# Altium PCB IC_LAB_test.PcbDoc (part 4 of 8) (continued)
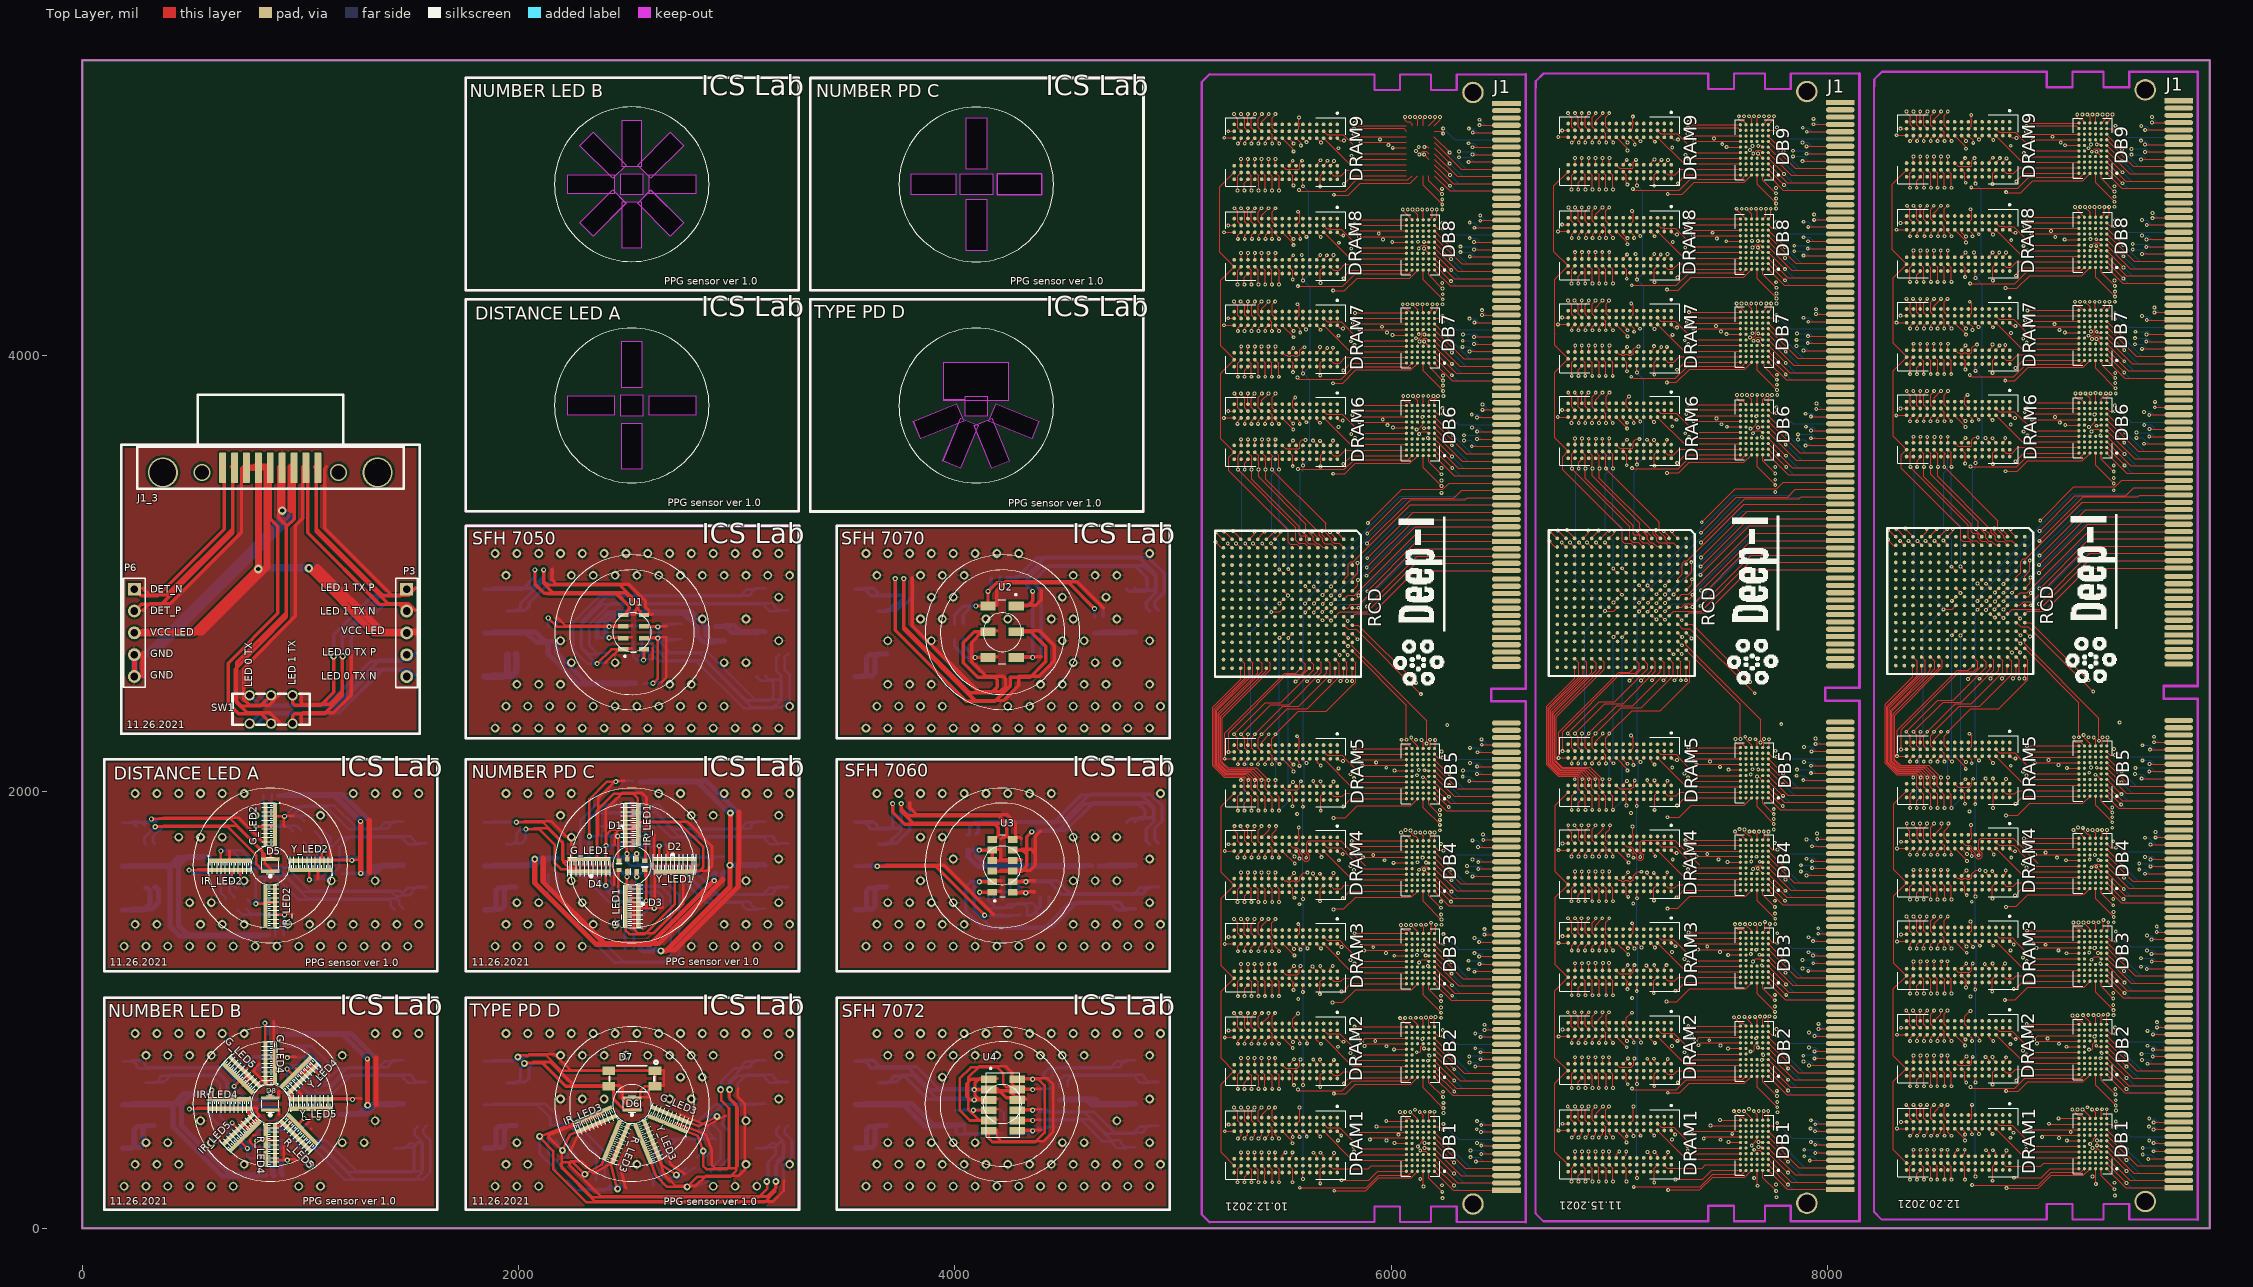
[diagram p0: Top Layer view]
## Nets (pads, with @x,y where several pads share a name; then routed paths per layer and width w, separated by ;. In a path a pad name is that pad's centre, name@x,y a point inside that pad or via, vN(x,y) a via of type N, cw(c..) or ccw(c..) an arc to the next point about the centre after c; other vN are vias at no path point) (continued)
7929.86,1682.16 8056.89,1682.16 8057.87,1683.15 ; v1(7932.87,1249.17) 8056.81,1249.17 8057.87,1248.11 ; v1(7932.87,1315.17) 7933.01,1315.04 8057.87,1315.04 ; v1(7933.87,1214.17) 7934.11,1214.41 8057.64,1214.41 8057.87,1214.65 ; v1(7934.87,5059.17) 7935.07,5058.98 8057.68,5058.98 8057.87,5058.78 ; v1(7937.87,4621.17) 7939.16,4622.46 8056.59,4622.46 8057.87,4623.74 ; v1(7938.87,778.17) 7939.59,778.89 8057.16,778.89 8057.87,779.61 ; v1(7939.87,810.17) 8054.98,810.17 8057.87,813.07 ; v1(7939.87,880.17) 7940.05,880 8057.87,880 ; v1(7941.87,444.17) 7942.66,444.96 8057.87,444.96 8057.48,444.57 ; v1(7942.87,344.17) 7943.07,344.37 8057.68,344.37 8057.87,344.57 ; v1(7942.87,381.85) 8054.06,381.85 8057.87,378.03 ; v1(7942.87,475.85) 7942.87,477.68 7943.62,478.43 8057.87,478.43 8057.62,478.17 ; v1(7944.87,2219.17) 7945.17,2218.88 8057.58,2218.88 8057.87,2218.58 ; v1(7945.87,4189.17) 7946.11,4188.94 8057.64,4188.94 8057.87,4188.7 ; v1(7947.87,3754.17) 7948.13,3753.92 8057.62,3753.92 8057.87,3753.66 ; v1(7951.87,1783.17) 7952.06,1783.36 8057.69,1783.36 8057.87,1783.54 ; v1(7956.87,1349.17) 7957.21,1348.84 8057.54,1348.84 8057.87,1348.51 ; v1(7957.87,912.17) 7958.52,912.82 8057.23,912.82 8057.87,913.47 ; v1(8276.06,3156.05) 8276.06,3155.05 8301.06,3130.05 8311.72,3130.05 8312.24,3129.53 ; v1(8277.06,3199.05) 8279.49,3199.05 8309.64,3168.9 8312.24,3168.9 ; v1(8314.06,3205.05) 8315.46,3205.05 8351.61,3168.9 ; v1(8314.06,3725.05) 8314.17,3725.16 8361.61,3725.16 ; v1(8315.06,4150.05) 8315.54,4149.57 8361.61,4149.57 ; v1(8315.06,4576.05) 8315.35,4575.75 8361.61,4575.75 ; v1(8316.06,5009.05) 8360.09,5009.05 8361.61,5007.52 ; v1(8318.06,456.05) 8318.55,455.55 8361.61,455.55 ; v1(8318.06,886.05) 8318.4,886.39 8361.27,886.39 8361.61,886.73 ; v1(8318.06,1314.05) 8318.51,1314.5 8361.16,1314.5 8361.61,1314.96 ; v1(8318.06,1740.05) 8318.1,1740 8361.57,1740 8361.61,1739.96 ; v1(8332.06,3150.05) 8332.06,3149.57 8351.61,3130.01 8351.61,3129.53 ; v1(8334.06,3757.05) 8334.45,3756.65 8361.61,3756.65 ; v1(8334.06,4182.05) 8335.04,4181.06 8361.61,4181.06 ; v1(8334.06,4607.05) 8334.25,4607.24 8361.61,4607.24 ; v1@8334.09,5039.02 8361.61,5039.02 ; v1(8336.06,486.05) 8336.56,486.55 8361.11,486.55 8361.61,487.05 ; v1(8336.06,918.05) 8336.15,918.14 8361.52,918.14 8361.61,918.23 ; v1(8336.06,1346.05) 8336.26,1346.25 8361.41,1346.25 8361.61,1346.46 ; v1(8336.06,1771.05) 8336.26,1771.25 8361.41,1771.25 8361.61,1771.46 ; v1(8356.06,3207.05) 8356.06,3205.44 8390.98,3170.51 8390.98,3168.9 ; v1(8360.06,565.05) 8376.97,548.13 8376.97,504.13 8393.11,487.99 8393.11,487.05 ; v1@8360.06,996.05 8376.97,979.13 8376.97,932.13 8390.87,918.23 8393.11,918.23 ; v1@8361.06,1427.05 8377.06,1411.05 8377.06,1362.51 8393.11,1346.46 ; v1(8361.06,4259.05) 8361.06,4256.05 8377.9,4239.21 8377.9,4196.21 8393.04,4181.06 8393.11,4181.06 ; v1(8361.06,5118.05) 8361.06,5112.05 8377.9,5095.21 8377.9,5056.21 8393.11,5040.99 8393.11,5039.02 ; 8361.61,298.07 8301.06,358.63 8301.06,672.05 8358.26,729.25 8361.61,729.25 8301.06,789.81 8301.06,1096.92 8361.61,1157.48 8359.62,1157.48 8302.45,1214.66 8302.45,1523.31 8361.61,1582.48 8302.06,1642.04 8302.06,1945.87 8361.61,2005.43 ; 8361.61,2162.91 8361.55,2162.98 8318.12,2162.98 v1(8318.06,2163.05) 8318.06,2281.05 8593.06,2556.05 8644.28,2556.05 8666.57,2578.35 ; 8361.61,2194.41 8361.43,2194.23 8336.24,2194.23 v1(8336.06,2194.05) 8336.06,2283.05 8603.06,2550.05 8668.06,2550.05 8687.06,2569.05 8687.06,2595.05 8666.57,2615.53 8666.57,2617.72 ; 8361.61,4850.04 8296.06,4784.48 8296.06,4483.83 8361.61,4418.27 8299.45,4356.1 8299.45,4106.08 8300.06,4105.48 8300.06,4055.05 8361.61,3993.49 8361.61,3992.09 8300.06,3930.53 8300.06,3629.24 8361.61,3567.68 8360.68,3567.68 8337.06,3544.05 8337.06,3483.05 8610.06,3210.05 8610.06,3156.05 8619.06,3147.05 8648.06,3147.05 8665.57,3129.53 8666.57,3129.53 ; v1(8362.06,1854.05) 8362.06,1835.05 8377.06,1820.05 8377.06,1785.05 8390.65,1771.46 8393.11,1771.46 ; v1@8362.06,3835.05 8362.06,3833.05 8377.9,3817.21 8377.9,3772.21 8393.11,3756.99 8393.11,3756.65 ; v1@8363.06,4685.05 8376.83,4671.27 8376.83,4624.27 8393.11,4607.99 8393.11,4607.24 ; v1(8370.06,3150.05) 8370.26,3150.05 8390.78,3129.53 8390.98,3129.53 ; v1(8377.06,222.05) 8377.06,283.05 8392.08,298.07 8393.11,298.07 ; v1(8377.06,1506.05) 8377.06,1565.05 8393.11,1581.1 8393.11,1582.48 ; v1(8377.06,1711.05) 8377.06,1723.91 8393.11,1739.96 ; v1(8377.06,3698.05) 8378.06,3699.05 8378.06,3711.05 8392.17,3725.16 8393.11,3725.16 ; v1(8377.06,4337.05) 8377.06,4402.05 8393.11,4418.1 8393.11,4418.27 ; v1(8377.06,4768.05) 8377.06,4834.05 8393.05,4850.04 8393.11,4850.04 ; v1(8378.06,423.05) 8393.11,438.1 8393.11,455.55 ; v1(8378.06,650.05) 8378.06,691.29 8377.9,691.45 8377.9,704.06 8378.06,704.22 8378.06,716.05 8391.26,729.25 8393.11,729.25 ; v1(8378.06,857.05) 8378.06,871.68 8393.11,886.73 ; v1(8378.06,1075.05) 8378.06,1119.52 8377.9,1119.68 8377.9,1132.29 8378.06,1132.45 8378.06,1142.43 8393.11,1157.48 ; v1(8378.06,1281.05) 8378.06,1303.05 8389.97,1314.96 8393.11,1314.96 ; v1@8378.06,1928.05 8378.06,1967.48 8377.9,1967.63 8377.9,1980.24 8378.06,1980.4 8378.06,1990.05 8393.11,2005.1 8393.11,2005.43 8393.11,2005.99 ; v1(8378.06,2138.05) 8379.06,2139.05 8379.06,2151.05 8390.92,2162.91 8393.11,2162.91 ; v1@8378.06,3911.05 v1(8378.06,3914.05) 8378.06,3954.13 8377.9,3954.29 8377.9,3966.89 8378.06,3967.05 8378.06,3976.05 8393.11,3991.1 8393.11,3992.09 ; v1(8378.06,4123.05) 8378.06,4135.05 8392.57,4149.57 8393.11,4149.57 ; v1(8378.06,4546.05) 8378.06,4562.05 8391.76,4575.75 8393.11,4575.75 ; v1(8378.06,4983.05) 8382.06,4983.05 8392.06,4993.05 8392.06,5006.46 8393.11,5007.52 ; 8390.98,2578.35 8390.98,2526.98 8264.06,2400.05 8264.06,2130.62 8315.63,2079.05 8402.06,2079.05 8408.06,2073.05 8408.06,2021.98 8424.61,2005.43 8441.06,1988.98 8441.06,1980.41 8440.89,1980.24 8440.89,1967.63 8441.06,1967.47 v1@8441.06,1930.05 ; 8390.98,2617.72 8410.06,2598.65 8410.06,2532.05 8270.06,2392.05 8270.06,2133.11 8318.11,2085.05 8406.06,2085.05 8424.61,2066.5 v1@8424.61,2065.05 ; v1@8391.06,996.05 8391.06,994.05 8409.06,976.05 8409.06,931.05 8421.87,918.23 8424.61,918.23 ; v1(8391.06,1854.05) 8391.06,1849.05 8409.39,1830.71 8409.39,1786.71 8424.61,1771.5 ; v1(8391.06,4259.05) 8409.06,4241.05 8409.06,4198.05 8424.61,4182.5 8424.61,4181.06 ; v1@8392.06,3836.05 8392.06,3834.05 8409.06,3817.05 8409.06,3772.05 8424.45,3756.65 8424.61,3756.65 ; v1(8393.06,565.05) 8409.06,549.05 8409.06,504.05 8424.61,488.5 8424.61,487.05 ; v1(8393.06,1428.05) 8408.32,1412.78 8408.32,1359.78 8421.65,1346.46 8424.61,1346.46 ; v1(8393.06,1642.05) 8393.06,1614.03 8393.11,1613.98 ; v1(8393.06,3627.05) 8393.11,3626.99 8393.11,3599.17 ; v1(8393.06,4481.05) 8393.11,4480.99 8393.11,4449.76 ; v1(8393.06,4686.05) 8409.06,4670.05 8409.06,4624.05 8424.61,4608.5 8424.61,4607.24 ; v1@8393.06,4914.05 8393.11,4913.99 8393.11,4881.54 ; v1@8393.06,5117.05 8393.06,5114.05 8409.06,5098.05 8409.06,5056.05 8424.61,5040.5 8424.61,5039.02 ; 8393.08,329.59 v1(8393.06,359.05) ; 8393.08,760.78 v1(8393.06,791.05) ; 8393.08,1189 v1(8393.06,1222.05) ; 8393.11,2194.41 8392.69,2194.41 8377.9,2209.21 8377.9,2257.21 v1(8360.06,2275.05) 8504.79,2419.79 8575.79,2419.79 8727.06,2571.05 8727.06,2593.05 8705.94,2614.16 8705.94,2617.72 ; 8393.11,3567.68 8391.68,3567.68 8379.06,3555.05 8379.06,3543.64 8377.9,3542.48 8377.9,3529.88 8379.06,3528.72 v1(8379.06,3489.05) 8379.06,3488.05 8644.68,3222.42 8644.68,3164.42 8657.68,3151.42 8684.06,3151.42 8705.94,3129.53 ; 8393.11,4023.58 8393.11,4052.1 v1(8394.06,4053.05) ; v1@8408.06,1282.05 8409.06,1283.05 8409.06,1300.05 8423.97,1314.96 8424.61,1314.96 ; v1@8408.06,1929.05 8408.06,1958.05 8423.94,1973.94 8424.61,1973.94 ; v1@8408.06,2139.05 8408.06,2147.05 8423.92,2162.91 8424.61,2162.91 ; v1@8408.06,4338.05 8408.06,4370.05 8424.61,4386.6 8424.61,4386.77 ; v1@8408.06,4769.05 8408.06,4800.05 8424.61,4816.6 8424.61,4818.54 ; v1(8409.06,222.05) 8409.06,248.05 8424.61,263.6 8424.61,266.57 ; v1(8409.06,423.05) 8409.06,425.05 8424.06,440.05 8424.06,455 8424.61,455.55 ; v1(8409.06,650.05) 8408.06,651.05 8408.06,679.05 8424.61,695.6 8424.61,697.76 ; v1@8409.06,858.05 8409.06,870.05 8424.61,885.6 8424.61,886.73 ; v1(8409.06,1075.05) 8409.06,1110.43 8424.61,1125.98 ; v1@8409.06,1507.05 8409.06,1536.05 8423.99,1550.98 8424.61,1550.98 ; v1@8409.06,1712.05 8410.06,1713.05 8410.06,1726.05 8423.97,1739.96 8424.61,1739.96 ; v1@8409.06,3911.05 v1(8409.06,3914.05) 8409.06,3943.05 8424.61,3958.6 8424.61,3960.59 ; v1@8409.06,4124.05 8409.06,4135.05 8423.57,4149.57 8424.61,4149.57 ; v1@8410.06,3490.05 8410.06,3518.05 8424.61,3532.6 8424.61,3536.18 ; v1@8410.06,3699.05 8410.06,3711.05 8424.17,3725.16 8424.61,3725.16 ; v1@8410.06,4547.05 8410.06,4562.05 8423.76,4575.75 8424.61,4575.75 ; v1(8410.06,4983.05) 8412.06,4985.05 8412.06,4993.05 8424.61,5005.6 8424.61,5007.52 ; v1(8412.06,3149.56) 8412.06,3148.69 8430.35,3130.4 8430.35,3129.53 ; v1(8423.06,1428.05) 8424.61,1426.5 8424.61,1377.95 ; v1(8423.06,1854.05) 8424.61,1852.5 8424.61,1802.95 ; v1@8424.06,996.05 8424.61,995.5 8424.61,949.72 ; v1(8424.06,1642.05) 8424.61,1641.5 8424.61,1613.98 ; v1@8424.06,3836.05 8424.61,3835.5 8424.61,3788.15 ; v1(8424.06,4053.05) 8424.61,4052.5 8424.61,4023.58 ; v1(8424.06,4259.05) 8424.61,4258.5 8424.61,4212.56 ; v1@8424.06,4685.05 8424.61,4684.5 8424.61,4638.74 ; v1(8424.06,4912.05) 8424.61,4911.5 8424.61,4881.54 ; v1@8424.06,5117.05 8424.33,5116.77 8424.33,5070.79 8424.61,5070.51 ; 8424.61,298.07 8424.61,295.5 8441.06,279.05 8441.06,273.04 8440.89,272.88 8440.89,260.27 8441.06,260.11 v1(8441.06,222.05) ; 8424.61,329.57 8424.83,329.79 8424.83,358.82 v1(8425.06,359.05) ; 8424.61,518.54 8424.83,518.77 8424.83,564.82 v1(8425.06,565.05) ; 8424.61,729.25 8424.61,726.5 8441.06,710.05 8441.06,704.23 8440.89,704.06 8440.89,691.45 8441.06,691.29 v1(8441.06,650.05) ; 8424.61,760.75 8424.83,760.97 8424.83,790.82 v1(8425.06,791.05) ; 8424.61,1188.98 8424.83,1189.2 8424.83,1221.82 v1(8425.06,1222.05) ; 8424.61,1582.48 8440.06,1567.03 v1@8440.06,1507.05 ; 8424.61,2036.93 8424.61,2063.6 v1(8426.06,2065.05) ; 8424.61,2194.41 8424.61,2195.5 8409.06,2211.05 8409.06,2258.05 8393.06,2274.05 v1(8393.06,2275.05) 8529.06,2411.05 8613.06,2411.05 8761.06,2559.05 8761.06,2601.98 8745.31,2617.72 ; 8424.61,2225.91 8424.61,2273.6 v1@8425.06,2274.05 ; 8424.61,3567.68 8424.61,3566.5 8441.06,3550.05 8441.06,3542.65 8440.89,3542.48 8440.89,3529.88 8441.06,3529.71 v1(8441.06,3489.05) 8441.06,3444.05 8659.06,3226.05 8659.06,3191.05 8665.06,3185.05 8684.06,3185.05 8690.06,3179.05 8690.06,3163.05 8704.06,3149.05 8725.06,3149.05 8744.57,3129.53 8745.31,3129.53 ; 8424.61,3599.17 8425.06,3599.62 v1(8425.06,3627.05) ; 8424.61,3992.09 8424.61,3989.5 8440.06,3974.05 v1(8440.06,3914.05) v1@8440.06,3911.05 ; 8424.61,4418.27 8424.61,4417.5 8440.06,4402.05 v1@8440.06,4339.05 ; 8424.61,4449.76 8424.61,4480.6 v1(8425.06,4481.05) ; 8424.61,4850.04 8425.06,4850.04 8440.06,4835.05 8440.06,4772.05 v1@8441.06,4771.05 ; 8424.62,1157.48 8441.06,1141.05 8441.06,1132.45 8440.89,1132.29 8440.89,1119.68 8441.06,1119.51 v1(8441.06,1075.05) ; 8430.35,2578.35 8430.35,2542.35 8276.06,2388.05 8276.06,2135.59 8320.6,2091.05 8414.9,2091.05 8440.06,2065.9 8440.06,2024.05 8456.1,2008 8456.1,2005.43 8472.06,1989.48 v1@8472.06,1927.05 ; 8430.35,2617.72 8447.06,2601.02 8447.06,2547.05 8282.06,2382.05 8282.06,2138.08 8323.08,2097.05 8424.06,2097.05 v1(8456.06,2065.05) 8456.1,2065 8456.1,2036.93 ; 8430.35,3168.9 8454.06,3192.6 v1(8454.06,3205.05) ; v1@8439.06,1283.05 8440.06,1284.05 8440.06,1300.05 8454.97,1314.96 8456.1,1314.96 ; v1@8440.06,3699.05 8440.06,3711.05 8454.17,3725.16 8456.1,3725.16 ; v1@8440.06,4986.05 8441.06,4987.05 8441.06,4996.05 8452.53,5007.52 8456.1,5007.52 ; v1(8441.06,423.05) 8456.1,438.09 8456.1,455.55 ; v1@8441.06,858.05 8441.06,871.69 8456.1,886.73 ; v1@8441.06,1713.05 8441.06,1727.05 8453.97,1739.96 8456.1,1739.96 ; v1@8441.06,4124.05 8441.06,4137.05 8453.57,4149.57 8456.1,4149.57 ; v1@8443.06,4548.05 8442.06,4549.05 8442.06,4565.05 8452.76,4575.75 8456.1,4575.75 ; v1(8448.06,3150.05) 8448.63,3150.05 8469.15,3129.53 8469.72,3129.53 ; v1(8454.06,1428.05) 8454.06,1421.05 8439.96,1406.95 8439.96,1363.14 8456.1,1347 8456.1,1346.46 ; v1(8455.06,359.05) 8455.58,358.52 8455.58,330.09 8456.1,329.57 ; v1(8455.06,565.05) 8440.89,550.88 8440.89,503.21 8456.1,488 8456.1,487.05 ; v1(8455.06,791.05) 8455.58,790.52 8455.58,761.27 8456.1,760.75 ; v1(8455.06,1223.05) 8455.58,1222.52 8455.58,1189.5 8456.1,1188.98 ; v1(8455.06,1854.05) 8455.06,1846.05 8440.89,1831.88 8440.89,1784.21 8453.65,1771.46 8456.1,1771.46 ; v1@8455.06,3836.05 8439.82,3820.81 8439.82,3774.28 8456.1,3758 8456.1,3756.65 ; v1(8456.06,997.05) 8439.96,980.95 8439.96,935.14 8456.1,919 8456.1,918.23 ; v1@8456.06,1641.05 8456.06,1614.02 8456.1,1613.98 ; v1@8456.06,2273.05 8440.89,2257.88 8440.89,2210.21 8456.1,2195 8456.1,2194.41 ; v1(8456.06,2275.05) 8584.06,2403.05 8658.06,2403.05 8802.17,2547.16 8802.17,2600.24 8784.68,2617.72 ; v1(8456.06,3626.05) 8456.1,3626 8456.1,3599.17 ; v1@8456.06,4052.05 8456.1,4052 8456.1,4023.58 ; v1@8456.06,4258.05 8456.06,4257.05 8440.89,4241.88 8440.89,4196.21 8456.04,4181.06 8456.1,4181.06 ; v1(8456.06,4481.05) 8456.1,4481 8456.1,4449.76 ; v1@8456.06,4685.05 8440.06,4669.05 8440.06,4625.05 8456.1,4609 8456.1,4607.24 ; v1@8456.06,4913.05 8456.1,4913 8456.1,4881.54 ; 8456.1,298.07 8456.1,295 8472.06,279.05 8472.06,223.05 v1(8473.06,222.05) ; 8456.1,729.25 8456.1,726 8473.06,709.05 8473.06,704.73 8472.38,704.06 8472.38,691.45 8473.06,690.78 v1(8473.06,650.05) ; 8456.1,1157.48 8472.06,1141.53 8472.06,1076.05 v1(8473.06,1075.05) ; 8456.1,1582.48 8456.1,1580 8472.06,1564.05 v1@8472.06,1508.05 ; 8456.1,3567.68 8456.43,3567.68 8473.06,3551.05 8473.06,3543.15 8472.38,3542.48 8472.38,3529.88 8473.06,3529.21 v1@8473.06,3490.05 ; 8456.1,3992.09 8456.1,3991 8472.06,3975.05 v1(8472.06,3914.05) v1@8472.06,3913.05 ; 8456.1,4418.27 8456.1,4418 8472.06,4402.05 8472.06,4341.05 v1@8473.06,4340.05 ; 8456.1,4850.04 8457.06,4850.04 8473.06,4834.05 8473.06,4825.52 8472.38,4824.85 8472.38,4812.24 8473.06,4811.57 v1@8473.06,4771.05 ; 8456.1,5039.02 8439.82,5055.3 8439.82,5098.81 v1@8457.06,5116.05 ; 8469.72,2578.35 8469.72,2555.72 8288.06,2374.05 8288.06,2140.56 8325.57,2103.05 8432.9,2103.05 8470.06,2065.9 8470.06,2022.98 8487.6,2005.43 8504.06,1988.98 8504.06,1980.41 8503.88,1980.24 8503.88,1967.63 8504.06,1967.46 v1@8504.06,1928.05 ; 8469.72,2617.72 8490.06,2597.39 8490.06,2564.05 8294.06,2368.05 8294.06,2143.05 8328.06,2109.05 8442.06,2109.05 v1(8486.06,2065.05) 8487.6,2063.5 8487.6,2036.93 ; 8469.72,3168.9 8469.72,3172.28 8500.06,3202.61 v1(8500.06,3205.05) ; v1@8471.06,2140.05 8471.06,2146.37 8487.6,2162.91 ; v1@8471.06,3699.05 8472.06,3700.05 8472.06,3713.05 8484.17,3725.16 8487.6,3725.16 ; v1@8472.06,859.05 8472.06,873.05 8485.74,886.73 8487.6,886.73 ; v1@8472.06,4986.05 8473.06,4987.05 8473.06,4995.05 8485.53,5007.52 8487.6,5007.52 ; v1(8473.06,423.05) 8487.6,437.59 8487.6,455.55 ; v1@8473.06,1284.05 8473.06,1300.05 8487.6,1314.59 8487.6,1314.96 ; v1@8473.06,1714.05 8473.06,1725.05 8487.6,1739.59 8487.6,1739.96 ; v1(8473.06,3489.05) 8473.06,3455.05 8689.56,3238.55 8689.56,3214.55 8724.06,3180.05 8724.06,3164.05 8739.06,3149.05 8750.06,3149.05 8767.06,3132.05 8782.17,3132.05 8784.68,3129.53 ; v1@8473.06,4125.05 8473.06,4138.05 8484.57,4149.57 8487.6,4149.57 ; v1@8474.06,4549.05 8474.06,4564.05 8485.76,4575.75 8487.6,4575.75 ; v1@8486.06,4052.05 8486.06,4025.13 8487.6,4023.58 ; v1@8486.06,4685.05 8471.32,4670.31 8471.32,4625.79 8487.6,4609.5 8487.6,4607.24 ; v1(8487.06,359.05) 8487.33,358.78 8487.33,329.84 8487.6,329.57 ; v1(8487.06,565.05) 8471.46,549.45 8471.46,504.65 8487.6,488.5 8487.6,487.05 ; v1(8487.06,791.05) 8487.33,790.78 8487.33,761.02 8487.6,760.75 ; v1(8487.06,1223.05) 8487.33,1222.78 8487.33,1189.25 8487.6,1188.98 ; v1@8487.06,1641.05 8487.6,1640.5 8487.6,1613.98 ; v1@8487.06,1853.05 8487.06,1851.05 8472.38,1836.38 8472.38,1785.72 8486.65,1771.46 8487.6,1771.46 ; v1@8487.06,2272.05 8472.06,2257.05 8472.06,2210.05 8487.6,2194.5 8487.6,2194.41 ; v1(8487.06,2275.05) 8604.06,2392.05 8697.06,2392.05 8844.06,2539.05 8844.06,2597.72 8824.06,2617.72 ; v1(8487.06,4259.05) 8472.06,4244.05 8472.06,4198.05 8487.6,4182.5 8487.6,4181.06 ; v1(8487.06,4481.05) 8487.06,4450.31 8487.6,4449.76 ; v1(8487.06,4912.05) 8487.6,4911.5 8487.6,4881.54 ; 8487.6,298.07 8502.06,283.61 8502.06,273.63 8502.81,272.88 8502.81,260.27 8502.06,259.51 v1(8502.06,222.05) ; 8487.6,518.54 8489.95,520.9 8489.95,533.94 v1(8521.06,565.05) ; 8487.6,729.25 8502.06,714.8 8502.06,704.82 8502.81,704.06 8502.81,691.45 8502.06,690.7 v1(8502.06,650.05) ; 8487.6,918.23 8487.6,918.5 8471.46,934.65 8471.46,979.45 v1@8488.06,996.05 ; 8487.6,949.72 8519.06,981.18 v1@8519.06,996.05 ; 8487.6,1157.48 8503.06,1142.02 8503.06,1076.05 v1(8502.06,1075.05) ; 8487.6,1346.46 8486.65,1346.46 8472.06,1361.05 8472.06,1408.05 8488.06,1424.05 v1@8488.06,1427.05 ; 8487.6,1377.95 8487.6,1396.59 v1@8518.06,1427.05 ; 8487.6,1582.48 8487.6,1579.5 8503.06,1564.05 v1@8503.06,1508.05 ; 8487.6,1802.95 8522.06,1837.41 v1@8522.06,1853.05 ; 8487.6,2225.91 8487.6,2239.59 v1@8520.06,2272.05 ; 8487.6,3567.68 8487.6,3565.5 8505.06,3548.05 8505.06,3543.66 8503.88,3542.48 8503.88,3529.88 8505.06,3528.7 v1@8505.06,3491.05 ; 8487.6,3599.17 8489.06,3600.63 v1(8489.06,3626.05) ; 8487.6,3756.65 8487.45,3756.65 8472.38,3771.72 8472.38,3819.38 8488.06,3835.05 v1@8488.06,3836.05 ; 8487.6,3788.15 8487.6,3805.59 v1(8519.06,3837.05) ; 8487.6,3992.09 8489.02,3992.09 8504.06,3977.05 8504.06,3967.07 8503.88,3966.89 8503.88,3954.29 8504.06,3954.11 v1(8504.06,3914.05) v1@8504.06,3913.05 ; 8487.6,4212.56 8487.6,4226.59 v1@8519.06,4258.05 ; 8487.6,4418.27 8488.83,4418.27 8504.06,4403.05 8504.06,4393.25 8503.88,4393.07 8503.88,4380.47 8504.06,4380.29 v1@8504.06,4341.05 ; 8487.6,4638.74 8487.6,4653.59 v1@8519.06,4685.05 ; 8487.6,4850.04 8489.06,4850.04 8504.06,4835.05 8504.06,4825.02 8503.88,4824.85 8503.88,4812.24 8504.06,4812.07 v1@8504.06,4771.05 ; 8487.6,5039.02 8487.6,5039.5 8472.38,5054.72 8472.38,5099.38 v1@8488.06,5115.05 ; 8487.6,5070.51 8487.6,5082.59 v1@8520.06,5115.05 ; v1(8490.06,3150.05) 8490.06,3149.31 8509.09,3130.27 8509.09,3129.53 ; v1(8502.06,423.05) 8519.09,440.09 8519.09,455.55 ; v1@8503.06,860.05 8503.06,870.05 8519.09,886.09 8519.09,886.73 ; v1@8503.06,1716.05 8503.06,1725.05 8517.97,1739.96 8519.09,1739.96 ; v1@8503.06,2139.05 8504.06,2140.05 8504.06,2148.05 8518.92,2162.91 8519.09,2162.91 ; v1@8503.06,3700.05 8503.06,3711.05 8517.17,3725.16 8519.09,3725.16 ; v1@8504.06,1284.05 8504.06,1300.05 8518.97,1314.96 8519.09,1314.96 ; v1@8504.06,4125.05 8504.06,4136.05 8517.57,4149.57 8519.09,4149.57 ; v1@8504.06,4985.05 8505.06,4986.05 8505.06,4996.05 8516.53,5007.52 8519.09,5007.52 ; v1(8505.06,3489.05) 8505.06,3445.05 8750.56,3199.55 8750.56,3187.7 8767.06,3171.2 8767.06,3157.8 8768.81,3156.05 8769.06,3156.05 8777.06,3148.05 8806.06,3148.05 8824.06,3130.05 8824.06,3129.53 ; v1@8505.06,4551.05 8506.06,4552.05 8506.06,4565.05 8516.76,4575.75 8519.09,4575.75 ; 8509.09,2578.35 8509.09,2567.09 8300.06,2358.05 8300.06,2146.56 8331.57,2115.05 8451.06,2115.05 8503.06,2063.05 8503.06,2025.05 8519.09,2009.01 8519.09,2005.43 8519.09,2003.01 8535.06,1987.05 8535.06,1928.05 v1@8536.06,1927.05 ; 8509.09,2617.72 8526.06,2600.76 8526.06,2570.05 8307.56,2351.55 8307.56,2147.55 8334.06,2121.05 8463.06,2121.05 8518.09,2066.01 8519.09,2066.01 8519.09,2036.93 ; 8509.09,3168.9 8511,3168.9 8546.15,3204.05 v1(8548.06,3204.05) ; v1(8518.06,3626.05) 8519.09,3625.01 8519.09,3599.17 ; v1@8518.06,4052.05 8518.06,4024.62 8519.09,4023.58 ; v1@8518.06,4482.05 v1(8518.06,4481.05) 8518.06,4450.8 8519.09,4449.76 ; v1@8519.06,1641.05 8519.09,1641.01 8519.09,1613.98 ; v1(8519.06,4912.05) 8519.09,4912.01 8519.09,4881.54 ; 8519.09,298.07 8519.09,297.01 8536.06,280.05 8536.06,273.56 8535.38,272.88 8535.38,260.27 8536.06,259.59 v1(8536.06,222.05) ; 8519.09,329.57 8520.07,330.55 8520.07,358.07 v1(8521.06,359.05) ; 8519.09,487.05 8535.06,471.09 8535.06,424.05 v1(8536.06,423.05) ; 8519.09,729.25 8519.09,727.01 8536.06,710.05 8536.06,704.74 8535.38,704.06 8535.38,691.45 8536.06,690.77 v1(8536.06,650.05) ; 8519.09,760.75 8520.07,761.73 8520.07,790.07 v1(8521.06,791.05) ; 8519.09,918.23 8535.06,902.27 8535.06,862.05 v1@8534.06,861.05 ; 8519.09,1157.48 8536.06,1140.52 8536.06,1132.97 8535.38,1132.29 8535.38,1119.68 8536.06,1119 v1(8536.06,1075.05) ; 8519.09,1188.98 8520.07,1189.96 8520.07,1222.07 v1(8521.06,1223.05) ; 8519.09,1346.46 8519.09,1344.01 8535.06,1328.05 v1@8535.06,1285.05 ; 8519.09,1582.48 8519.62,1582.48 8536.06,1566.05 8536.06,1557.97 8535.38,1557.29 8535.38,1544.68 8536.06,1544 v1@8536.06,1509.05 ; 8519.09,1771.46 8519.09,1769.01 8536.06,1752.05 8536.06,1746.94 8535.38,1746.26 8535.38,1733.66 8536.06,1732.98 v1@8536.06,1717.05 ; 8519.09,2194.41 8519.09,2192.01 8535.06,2176.05 v1@8535.06,2139.05 ; 8519.09,3567.68 8537.89,3548.88 8534.45,3545.44 v1(8534.45,3488.7) 8780.06,3243.1 8780.06,3199.97 8806.06,3173.97 8806.06,3163.05 8819.06,3150.05 8842.91,3150.05 8863.43,3129.53 ; 8519.09,3756.65 8519.09,3756.01 8535.06,3740.05 v1@8535.06,3701.05 ; 8519.09,3992.09 8519.09,3992.01 8534.06,3977.05 8534.06,3967.15 8534.31,3966.89 8534.31,3954.29 8534.06,3954.03 v1(8534.06,3914.05) v1@8534.06,3913.05 ; 8519.09,4181.06 8519.09,4179.01 8534.06,4164.05 8534.06,4156.12 8534.31,4155.87 8534.31,4143.26 8534.06,4143.01 v1@8534.06,4126.05 ; 8519.09,4418.27 8519.09,4418.01 8534.06,4403.05 8534.06,4393.33 8534.31,4393.07 8534.31,4380.47 8534.06,4380.22 v1@8534.06,4340.05 ; 8519.09,4607.24 8519.09,4606.01 8535.06,4590.05 v1@8535.06,4552.05 ; 8519.09,4850.04 8519.09,4849.01 8535.06,4833.05 v1@8535.06,4771.05 ; 8519.09,5039.01 8535.06,5023.05 8535.06,4986.05 v1@8536.06,4985.05 ; v1(8530.06,3151.05) 8530.06,3149.49 8548.46,3131.08 8548.46,3129.53 ; v1(8531.06,2836.05) 8569.94,2836.05 8587.83,2853.94 ; 8548.46,3168.9 8573.06,3193.49 v1(8573.06,3204.05) ; v1(8549.06,359.05) 8549.82,358.28 8549.82,330.33 8550.59,329.57 ; v1(8549.06,565.05) 8535.06,551.05 8535.06,504.05 8550.59,488.51 8550.59,487.05 ; v1(8549.06,791.05) 8549.82,790.28 8549.82,761.52 8550.59,760.75 ; v1@8549.06,996.05 8535.38,982.37 8535.38,933.73 8550.59,918.51 8550.59,918.23 ; v1(8549.06,1223.05) 8549.82,1222.28 8549.82,1189.74 8550.59,1188.98 ; v1(8549.06,4259.05) 8535.38,4245.37 8535.38,4197.73 8550.59,4182.51 8550.59,4181.06 ; v1@8550.06,1426.05 8534.31,1410.3 8534.31,1359.79 8547.65,1346.46 8550.59,1346.46 ; v1@8550.06,1641.05 8550.06,1614.51 8550.59,1613.98 ; v1@8550.06,2271.05 8534.31,2255.3 8534.31,2209.79 8549.69,2194.41 8550.59,2194.41 ; v1(8550.06,2275.05) 8655.06,2380.05 8784.06,2380.05 8907.45,2503.44 8908.52,2503.44 8917.91,2512.83 8917.91,2602.6 8902.8,2617.72 ; v1(8550.06,3627.05) 8550.59,3626.51 8550.59,3599.17 ; v1(8550.06,4481.05) 8550.06,4450.3 8550.59,4449.76 ; v1(8550.06,4686.05) 8535.06,4671.05 8535.06,4624.05 8550.59,4608.51 8550.59,4607.24 ; v1@8550.06,5115.05 8535.06,5100.05 8535.06,5055.05 8550.59,5039.51 8550.59,5039.02 ; 8550.59,298.07 8567.06,281.61 8567.06,273.06 8566.87,272.88 8566.87,260.27 8567.06,260.09 v1(8567.06,222.05) ; 8550.59,455.55 8550.59,439.51 v1(8567.06,423.05) ; 8550.59,729.25 8567.06,712.79 8567.06,704.24 8566.87,704.06 8566.87,691.45 8567.06,691.27 v1(8567.06,650.05) ; 8550.59,886.73 8550.59,878.51 v1@8567.06,862.05 ; 8550.59,1157.48 8567.06,1141.02 8567.06,1132.47 8566.87,1132.29 8566.87,1119.68 8567.06,1119.5 v1(8567.06,1075.05) ; 8550.59,1314.96 8550.59,1302.51 v1@8567.06,1286.05 ; 8550.59,1582.48 8567.06,1566.02 8567.06,1557.47 8566.87,1557.29 8566.87,1544.68 8567.06,1544.5 v1@8567.06,1509.05 ; 8550.59,1739.96 8566.06,1724.5 v1@8566.06,1717.05 ; 8550.59,1771.46 8549.65,1771.46 8535.06,1786.05 8535.06,1819.05 8553.06,1837.05 v1@8553.06,1852.05 ; 8550.59,2005.43 8550.59,2003.51 8567.06,1987.05 8567.06,1980.42 8566.87,1980.24 8566.87,1967.63 8567.06,1967.45 v1(8567.06,1925.05) ; 8550.59,2036.93 8551.06,2037.39 v1(8551.06,2065.05) v1@8551.06,2068.05 ; 8550.59,2162.91 8550.59,2153.51 8565.79,2138.31 v1(8569.88,2138.31) ; 8550.59,3567.68 8552.43,3567.68 8566.06,3554.05 8566.06,3491.05 v1@8567.06,3490.05 ; 8550.59,3725.16 8550.59,3716.51 v1@8566.06,3701.05 ; 8550.59,3756.65 8550.59,3757.51 8535.38,3772.73 8535.38,3820.37 v1@8551.06,3836.05 ; 8550.59,3992.09 8550.59,3991.51 8566.06,3976.05 v1(8566.06,3914.05) ; 8550.59,4023.58 8550.59,4051.58 v1@8551.06,4052.05 ; 8550.59,4149.57 8550.59,4143.51 v1@8567.06,4127.05 ; 8550.59,4418.27 8550.83,4418.27 8567.06,4402.05 8567.06,4393.26 8566.87,4393.07 8566.87,4380.47 8567.06,4380.29 v1@8567.06,4341.05 ; 8550.59,4575.75 8550.59,4568.51 v1@8567.06,4552.05 ; 8550.59,4850.04 8550.59,4849.51 8567.06,4833.05 8567.06,4825.03 8566.87,4824.85 8566.87,4812.24 8567.06,4812.06 v1@8567.06,4773.05 ; 8550.59,4881.54 8550.59,4911.58 v1(8551.06,4912.05) ; 8550.59,5007.52 8550.59,5003.51 v1@8568.06,4986.05 ; v1(8568.06,3031.05) 8568.13,3031.05 8587.76,3011.42 8587.83,3011.42 ; v1(8569.06,2717.05) 8587.83,2735.83 ; v1(8569.06,2875.05) 8587.31,2893.31 8587.83,2893.31 ; 8582.09,329.57 8582.09,345.08 v1(8596.06,359.05) ; 8582.09,455.55 8627.33,410.3 8627.33,402.77 v1(8629.06,401.05) ; 8582.09,760.75 8597.3,745.53 8651.38,745.53 8661.36,755.51 8661.36,781.35 v1(8665.06,785.05) ; 8582.09,886.73 8582.09,885.87 8630.06,837.91 v1(8630.06,837.05) ; 8582.09,1188.98 8597.3,1173.76 8651.38,1173.76 8660.29,1182.67 8660.29,1208.29 v1(8665.06,1213.05) ; 8582.09,1314.96 8583.11,1314.96 8636.03,1262.05 v1(8637.06,1262.05) ; 8582.09,1613.98 8593.02,1603.05 8603,1603.05 8607.28,1598.76 8619.88,1598.76 8624.17,1603.05 8634.49,1603.05 8638.78,1598.76 8651.38,1598.76 8655.67,1603.05 8661.06,1603.05 8661.06,1623.18 8678.92,1641.05 v1(8697.06,1641.05) ; 8582.09,2036.93 8597.3,2021.71 8651.38,2021.71 8661.36,2031.69 8661.36,2054.13 v1(8667.06,2059.83) ; 8582.09,2162.91 8631.33,2113.67 8631.33,2106.77 v1(8633.06,2105.05) ; 8582.09,3599.17 8582.09,3599.02 8598.06,3583.05 8657.06,3583.05 8661.06,3587.05 8661.06,3613.05 8672.06,3624.05 v1(8688.06,3624.05) ; 8582.09,3725.16 8582.09,3723.59 8632.06,3673.62 v1(8632.06,3672.05) ; 8582.09,4023.58 8584.52,4023.58 8596.06,4012.05 8603.6,4012.05 8607.28,4008.37 8619.88,4008.37 8623.56,4012.05 8635.1,4012.05 8638.78,4008.37 8651.38,4008.37 8655.06,4012.05 8661.06,4012.05 8661.06,4035.05 8673.56,4047.55 8682.56,4047.55 v1(8684.06,4049.05) ; 8582.09,4149.57 8582.09,4148.29 8634.06,4096.32 v1(8634.06,4095.05) ; 8582.09,4575.75 8632.33,4525.5 8632.33,4518.77 v1(8634.06,4517.05) ; 8582.09,4881.54 8597.57,4866.05 8658.06,4866.05 8661.06,4869.05 8661.06,4893.05 8672.06,4904.05 v1(8673.06,4904.05) ; 8582.09,5007.52 8632.33,4957.27 8632.33,4948.77 v1(8634.06,4947.05) ; 8582.11,1739.96 v1(8639.06,1683.05) ; 8587.83,2932.68 8608.06,2912.46 v1(8608.06,2911.05) ; v1(8609.06,2716.05) 8609.06,2717.68 8627.2,2735.83 ; v1(8609.06,3032.05) 8609.06,3030.81 8627.2,3012.66 8627.2,3011.42 ; 8613.58,298.07 8613.58,296.52 8628.8,281.31 8628.8,222.31 v1(8629.06,222.05) ; 8613.58,329.57 8628.06,344.04 v1(8628.06,359.05) ; 8613.58,455.55 8629.59,439.55 8629.59,429.52 v1(8630.06,429.05) ; 8613.58,729.25 8629.06,713.78 8629.06,675.48 8635.06,669.48 v1(8635.06,667.05) ; 8613.58,760.75 8613.58,762.16 8636.06,784.63 v1(8636.06,786.05) ; 8613.58,886.73 8613.58,884.63 8631.06,867.15 v1(8631.06,865.05) ; 8613.58,1157.48 8634.06,1137.01 8634.06,1136.48 8629.86,1132.29 8629.86,1119.68 8634.06,1115.49 v1(8634.06,1103.05) ; 8613.58,1188.98 8613.58,1190.28 8635.06,1211.75 v1(8635.06,1213.05) ; 8613.58,1314.96 8613.58,1314.24 8636.06,1291.77 v1(8636.06,1291.05) ; 8613.58,1582.48 8628.94,1567.13 8628.94,1534.17 v1(8637.06,1526.05) ; 8613.58,1613.98 8613.58,1615.28 8636.06,1637.75 v1(8636.06,1639.05) ; 8613.58,1739.96 8613.58,1739.74 8638.06,1715.27 v1(8638.06,1715.05)